# Altium PCB MiniPC.PcbDoc (part 20 of 23)
Units mm, origin at the board's own origin, x right, y up, seen from the top; angles counter-clockwise.
Board outline 175 x 155 mm, 16 copper layers (1_Top, 2_int1_(gnd), 3_int2_(power), 4_int3_(gnd), 5_int4_(sign), 6_int5_(power), 7_int6_(sign), 8_int7_(power), 9_int8_(gnd), 10_int9_(sign), 11_int10_(gnd), 12_int11_(sign), 13_int12_(gnd), 14_int13_(power), 15_int14_(gnd), 16_Bottom), stack 2.008 mm thick; 1046 components, 841 nets, 6010 pads, 4016 vias.
Unrouted connection lines stored in the file: 602.
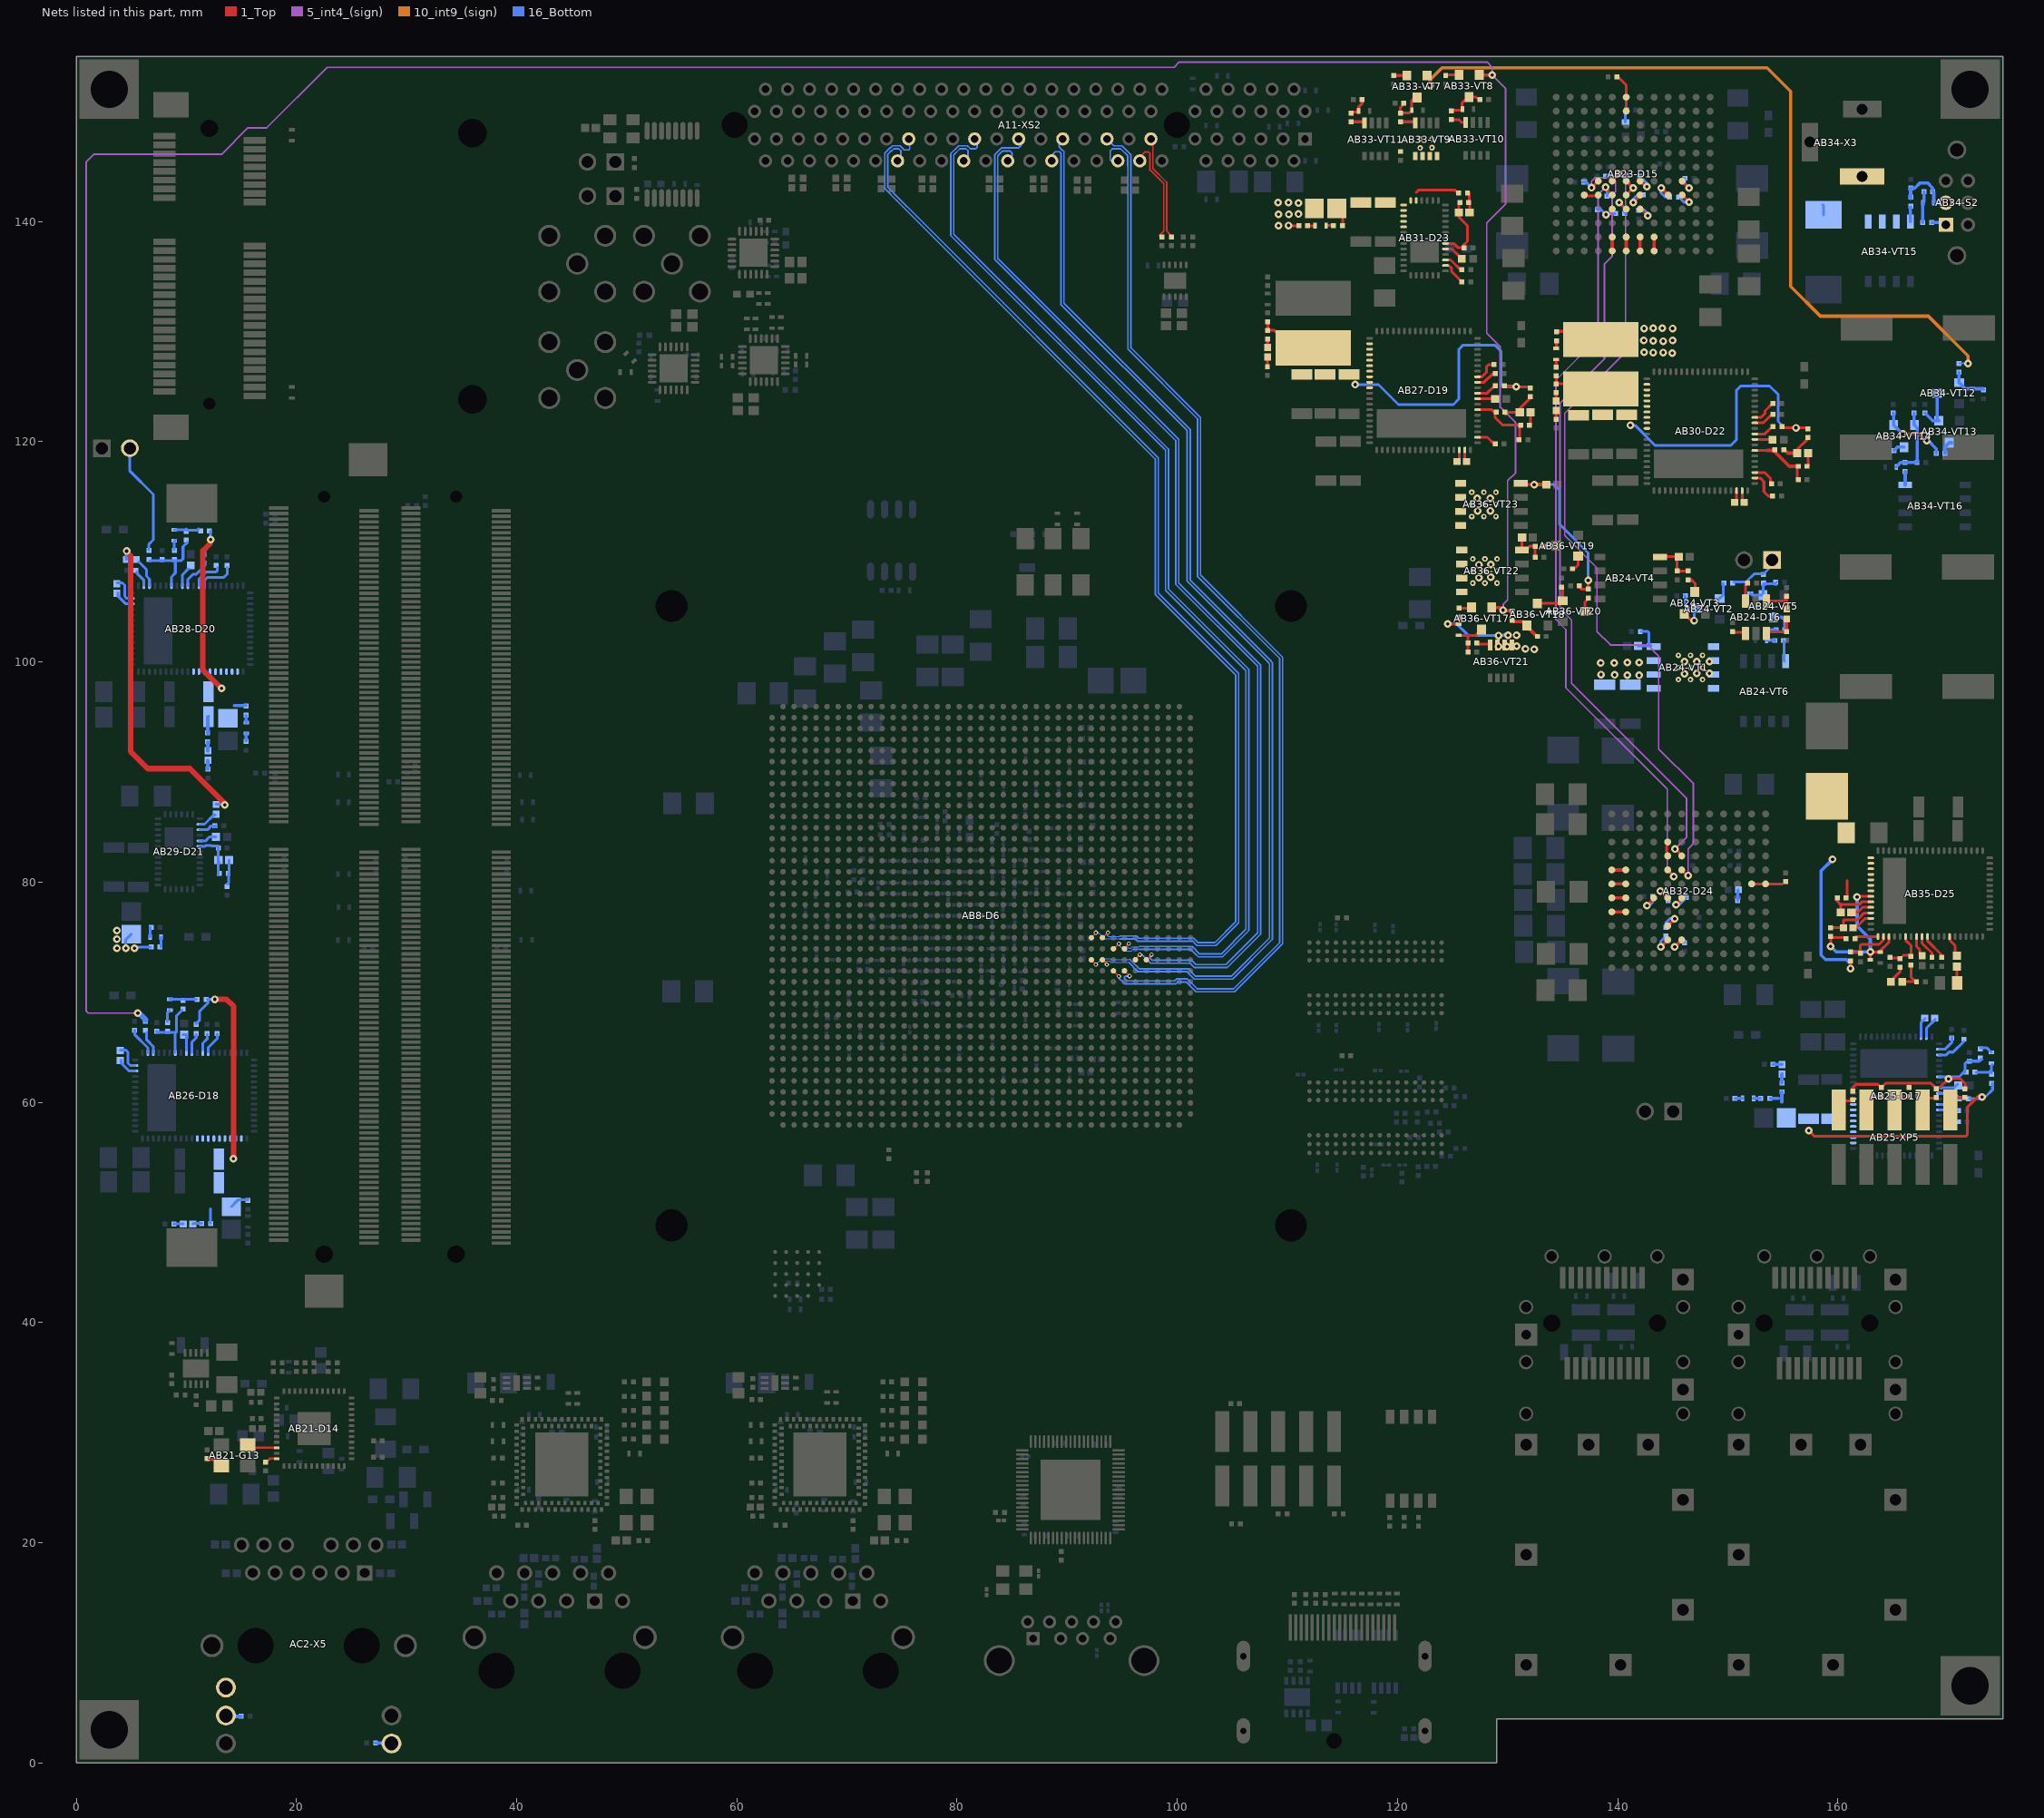
[diagram p34: the nets of this part, all layers, seen from the top]

## Via types
v1: diameter 0.4, hole 0.2, 1_Top to 16_Bottom, tented both sides, 1658 vias
v2: diameter 0.7, hole 0.3, 1_Top to 16_Bottom, tented both sides, 915 vias
v3: diameter 0.5, hole 0.2, 1_Top to 16_Bottom, tented both sides, 854 vias
v4: diameter 0.6, hole 0.2, 1_Top to 16_Bottom, 278 vias
v5: diameter 0.5, hole 0.2, 1_Top to 16_Bottom, 162 vias
v6: diameter 0.4, hole 0.2, 1_Top to 16_Bottom, 100 vias
v7: diameter 0.4/0/0/0/0/0/0/0/0/0/0/0/0/0/0/0.4 (per signal layer), hole 0.2, 1_Top to 16_Bottom, tented both sides, 18 vias
v8: diameter 0.4/0/0/0/0/0/0/0/0/0/0/0.4/0.4/0.4/0.4/0.4 (per signal layer), hole 0.2, 1_Top to 16_Bottom, tented both sides, 16 vias
v9: diameter 0.5, hole 0.254, 1_Top to 16_Bottom, 15 vias

## Nets (pads, with @x,y where several pads share a name; then routed paths per layer and width w, separated by ;. In a path a pad name is that pad's centre, name@x,y a point inside that pad or via, vN(x,y) a via of type N, cw(c..) or ccw(c..) an arc to the next point about the centre after c; other vN are vias at no path point) (continued)
NetAB21-D14_46: AB21-D14.46 AB21-G13.3 | length 2.8
  1_Top w0.2: AB21-G13.3@15.7,28.95 15.7,28.75 15.824,28.625 AB21-D14.46@18.212,28.625
NetAB21-D14_48: AB21-D14.48 AB21-R126.1 | length 1
  1_Top w0.2: AB21-R126.1@17.3,27.35 17.576,27.625 AB21-D14.48@18.212,27.625
NetAB21-G13_1: AB21-G13.1 AB21-R118.2 | length 1.4
  1_Top w0.3: AB21-R118.2@11.887,27.575 12.547,27.575 AB21-G13.1@13.097,27.025
NetAB23-C427_1: AB23-C427.1 AB23-R138.2 | length 1.1
  16_Bottom w0.254: AB23-C427.1@140.7,149.025 AB23-R138.2@140.7,150.125
NetAB23-D15_C5: AB23-D15.C5 AB23-D15.D5 | length 1.3
  1_Top w0.25: AB23-D15.C5@136.955,142.395 137.224,142.395 137.309,142.31 137.931,142.31 138.016,142.395 AB23-D15.D5@138.225,142.395
NetAB23-D15_D6: AB23-D15.D6 AB23-R150.1 AB32-D24.D6 | length 73.7
  1_Top w0.25: v2(137.62,143.06) AB23-D15.D6@138.225,143.665
  1_Top w0.254: v2(145.19,82.995) 145.29,82.995 145.578,82.708 145.578,82.633 145.64,82.57 145.64,82.535 AB32-D24.D6@145.805,82.37
  5_int4_(sign) w0.15: v2(137.62,143.06) 137.62,143.645 137.95,143.975 139.425,143.975 139.8,143.6 139.8,142.7 139.5,142.4 139.5,136.85 138.78,136.13 138.78,127.51 134.76,123.49 134.76,104.844 135.81,103.794 135.81,98.06 146.24,87.63 146.24,84.045 v2(145.19,82.995)
  16_Bottom w0.25: AB23-R150.1@136.82,143.57 137.11,143.57 v2(137.62,143.06)
NetAB23-D15_E1: AB23-D15.E1 AB23-D15.E2 | length 1.3
  1_Top w0.3: AB23-D15.E1@139.495,137.315 AB23-D15.E2@139.495,138.585
NetAB23-D15_E4: AB23-D15.E4 AB23-R145.2 AB23-R148.1 | length 2.7
  1_Top w0.25: v2(138.92,140.62) 138.99,140.62 AB23-D15.E4@139.495,141.125
  16_Bottom w0.25: AB23-R148.1@138.1,141.175 138.364,141.175 v2(138.92,140.62) 139.02,140.72 AB23-R145.2@139.72,140.72
NetAB23-D15_E5: AB23-D15.E5 AB23-R151.1 AB32-D24.E5 | length 71.6
  1_Top w0.25: v2(138.9,143.1) 138.9,142.99 AB23-D15.E5@139.495,142.395
  1_Top w0.254: AB32-D24.E5@144.535,81.1 145.14,80.495 v2(145.09,80.495)
  5_int4_(sign) w0.15: v2(138.9,143.1) 138.21,142.41 138.21,129.42 134.38,125.59 134.38,103.84 135.29,102.93 135.29,97.65 144.49,88.45 144.49,81.195 145.09,80.595 v2(145.09,80.495)
  16_Bottom w0.25: v2(138.9,143.1) 139.05,142.95 AB23-R151.1@139.05,142.3
NetAB23-D15_E6: AB23-D15.E6 AB23-R149.1 AB32-D24.E6 | length 76.4
  1_Top w0.25: AB23-D15.E6@139.495,143.665 140.075,144.245 v2(140.075,144.362)
  1_Top w0.254: AB32-D24.E6@145.805,81.1 145.805,81.08 146.29,80.595 v2(146.39,80.595)
  5_int4_(sign) w0.15: v2(140.075,144.362) 140.705,143.732 140.705,128.105 135.18,122.58 135.18,111.46 138.11,108.53 138.11,102.76 139.33,101.54 142.71,101.54 143.72,100.53 143.72,92.09 146.87,88.94 146.87,83.5 146.39,83.02 v2(146.39,80.595)
  16_Bottom w0.25: AB23-R149.1@138.95,144.1 139.9,144.1 140.1,144.3 140.075,144.325 v2(140.075,144.362)
NetAB23-D15_F1: AB23-D15.F1 AB23-D15.F2 | length 1.3
  1_Top w0.3: AB23-D15.F1@140.765,137.315 AB23-D15.F2@140.765,138.585
NetAB23-D15_F4: AB23-D15.F4 AB23-R145.1 | length 2.2
  1_Top w0.25: v2(140.12,141.72) 140.12,141.77 AB23-D15.F4@140.765,141.125
  16_Bottom w0.25: v2(140.12,141.72) 140.6,141.239 140.6,140.84 AB23-R145.1@140.72,140.72
NetAB23-D15_F5: AB23-D15.F5 AB23-D15.F6 AB23-R140.1 | length 3.2
  1_Top w0.25: AB23-D15.F5@140.765,142.395 v2(141.4,143.03)
  1_Top w0.3: AB23-D15.F6@140.765,143.665 v2(141.4,143.03)
  16_Bottom w0.25: AB23-R140.1@140.85,144.125 140.85,143.58 141.371,143.059 v2@141.268,142.957
NetAB23-D15_F11: AB23-D15.F11 AB23-D15.F12 AB23-R144.1 | length 3.4
  1_Top w0.25: AB23-R144.1@140.02,153.12 140.765,152.375 AB23-D15.F12@140.765,151.285 AB23-D15.F11@140.765,150.015
NetAB23-D15_G1: AB23-D15.G1 AB23-D15.G2 | length 1.3
  1_Top w0.3: AB23-D15.G1@142.035,137.315 AB23-D15.G2@142.035,138.585
NetAB23-D15_G4: AB23-D15.G4 AB23-R139.2 | length 2.2
  1_Top w0.25: AB23-D15.G4@142.035,141.125 142.114,141.125 v2(142.72,140.52)
  16_Bottom w0.25: v2@142.6,140.825 v2@142.72,140.705 ; v2@142.72,140.705 v2(142.72,140.52) v2@142.819,140.42
  16_Bottom w0.254: AB23-R139.2@141.9,141.025 142.4,141.025 v2@142.6,140.825
NetAB23-D15_G5: AB23-D15.G5 AB23-R142.1 | length 2.3
  1_Top w0.25: v2(141.42,141.72) 142.035,142.335 AB23-D15.G5@142.035,142.395
  16_Bottom w0.254: v2(141.42,141.72) 141.42,142.045 141.8,142.425 AB23-R142.1@142.3,142.425
NetAB23-D15_G6: AB23-D15.G6 AB23-R143.1 | length 2.1
  1_Top w0.25: AB23-D15.G6@142.035,143.665 142.541,143.159 v2(142.641,143.159)
  16_Bottom w0.25: AB23-R143.1@142,144.1 142.7,143.4 142.659,143.359 142.659,143.159 v2(142.641,143.159)
NetAB23-D15_H1: AB23-D15.H1 AB23-D15.H2 | length 1.3
  1_Top w0.3: AB23-D15.H1@143.305,137.315 AB23-D15.H2@143.305,138.585
NetAB23-D15_J5: AB23-D15.J5 AB23-R137.1 | length 2.2
  1_Top w0.3: v2(143.94,143.03) AB23-D15.J5@144.575,142.395
  16_Bottom w0.25: 143.9,142.63 143.9,142.99 v2(143.94,143.03)
  16_Bottom w0.254: 143.9,142.63 144.31,142.22 AB23-R137.1@144.61,142.22
NetAB23-D15_K5: AB23-D15.K5 AB23-R137.2 | length 1.8
  1_Top w0.3: AB23-D15.K5@145.845,142.395 v2(146.48,141.76)
  16_Bottom w0.254: AB23-R137.2@145.71,142.045 145.995,141.76 v2(146.48,141.76)
NetAB23-D15_K6: AB23-D15.K6 AB23-R141.1 | length 2
  1_Top w0.3: AB23-D15.K6@145.845,143.665 v2(146.48,143.03)
  16_Bottom w0.25: AB23-R141.1@146.06,143.92 146.06,143.45 v2(146.48,143.03)
NetAB24-C436_2: AB24-C436.2 AB24-R152.1 AB24-VT1.4 | length 3.2
  16_Bottom w0.25: AB24-C436.2@141.835,101.45 143.045,101.45 142.845,101.65 142.845,102.65 142.745,102.75 AB24-R152.1@142.145,102.75
NetAB24-C437_2: AB24-C437.2 AB24-C438.2 AB24-VT1.1 AB24-VT1.2 AB24-VT1.3 AB36-VT22.5 AB36-VT22.6 AB36-VT22.7 AB36-VT22.8 AB36-VT23.5 AB36-VT23.6 AB36-VT23.7 AB36-VT23.8
  other v2: 141.93,98.77 140.86,98.8 139.73,98.81 138.48,98.85 138.46,99.9 139.69,99.9 141.95,99.93 140.88,99.95 127.38,107.65 128.45,107.68 127.38,108.82 128.47,108.84 127.28,113.72 128.42,113.72 128.41,114.85 127.23,114.86
  other v5: 126.833,107.15 127.933,107.15 129.033,107.15 126.833,108.25 127.933,108.25 129.033,108.25 126.833,109.35 127.933,109.35 129.033,109.35 126.74,113.205 127.84,113.205 128.94,113.205 126.74,114.305 127.84,114.305 128.94,114.305 126.74,115.405 127.84,115.405 128.94,115.405
NetAB24-C439_2: AB24-C439.2 AB24-R156.2 AB24-R158.1 AB24-VT4.4 | length 4.3
  1_Top w0.25: AB24-VT4.4@143.545,109.55 AB24-C439.2@145.555,109.55 ; AB24-C439.2@145.445,109.45 145.395,109.4 AB24-R158.1@145.395,108.25 AB24-R156.2@146.445,108.25
NetAB24-C440_2: AB24-C440.2 AB24-R155.1 AB24-R157.2 AB24-VT5.1 | length 3.5
  16_Bottom w0.25: AB24-C440.2@152.045,106.25 152.245,106.05 AB24-VT5.1@153.195,106.05 153.195,107 AB24-R155.1@153.245,107.05 ; AB24-R155.1@153.245,107.1 154.295,107.1 AB24-R157.2@154.445,107.25
NetAB24-C441_1: AB24-C441.1 AB24-R159.1 AB24-R160.2 AB24-R161.1 | length 2.6
  16_Bottom w0.3: AB24-R161.1@154.25,101.94 154.23,101.96 AB24-C441.1@153.52,101.96 153.56,102 153.56,102.93 153.58,102.91 AB24-R160.2@154.38,102.91
NetAB24-D16_1: AB24-D16.1 AB24-R165.2 | length 1.2
  1_Top w0.25: AB24-R165.2@150.445,102.7 151.595,102.7 AB24-D16.1@151.645,102.75
NetAB24-D16_3: AB24-D16.3 AB24-R162.1 AB24-R163.2 | length 3.1
  1_Top w0.25: AB24-D16.3@153.495,102.575 153.65,102.73 155.225,102.73 AB24-R162.1@155.345,102.85 ; AB24-R162.1@155.345,102.75 155.345,102.8 AB24-R162.1@155.345,102.85 ; AB24-R163.2@155.345,103.9 AB24-R162.1@155.345,102.85
NetAB24-D16_4: AB24-D16.4 AB24-R163.1 AB24-R164.2 | length 3.4
  1_Top w0.25: AB24-D16.4@153.495,105.525 155.245,105.525 AB24-R164.2@155.245,106.05 ; AB24-R163.1@155.345,104.8 AB24-R164.2@155.345,105.95
NetAB24-D16_6: AB24-D16.6 AB24-R166.2 | length 1.8
  1_Top w0.25: AB24-D16.6@151.595,105.525 151.595,107 AB24-R166.2@151.845,107.25
NetAB24-R153_1: AB24-R153.1 AB24-VT2.1 | length 1.5
  16_Bottom w0.25: AB24-VT2.1@149.245,105.75 149.595,106.1 AB24-R153.1@149.595,107.15
NetAB24-R153_2: AB24-R153.2 AB24-R155.2 AB24-XP4.1 | length 4.6
  16_Bottom w0.25: AB24-R153.2@150.545,107.25 151.645,107.25 152.395,108 153.245,108 154.145,108.9 AB24-XP4.1@154.145,109.25
NetAB24-R154_2: AB24-R154.2 AB24-VT2.3 AB24-VT3.1 | length 4.2
  1_Top w0.25: AB24-VT3.1@146.045,104.35 146.545,103.85 v2@146.745,103.85
  16_Bottom w0.25: AB24-R154.2@146.045,106.05 146.13,105.965 146.13,105.22 146.55,104.8 AB24-VT2.3@147.195,104.8 ; v2(146.945,103.75) 146.945,104.55 AB24-VT2.3@147.195,104.8 ; AB24-VT2.3@147.245,104.8 AB24-VT2.3@147.195,104.8
NetAB24-R156_1: AB24-R156.1 AB24-VT3.3 | length 1.6
  1_Top w0.25: AB24-R156.1@146.395,107.45 146.69,107.45 147.045,107.095 AB24-VT3.3@147.045,106.25
NetAB24-R160_1: AB24-R160.1 AB24-VT5.3 | length 2
  16_Bottom w0.3: AB24-VT5.3@154.145,104.05 154.93,104.05 155.18,103.8 AB24-R160.1@155.18,102.91
NetAB24-R161_2: AB24-R161.2 AB24-VT6.4 | length 1.9
  16_Bottom w0.25: AB24-R161.2@155.05,101.94 155.095,101.895 155.095,100.1 AB24-VT6.4@155.145,100.05
NetAB24-VT1_5: AB24-VT1.5 AB24-VT1.6 AB24-VT1.7 AB24-VT1.8 AB30-R248.1 AB30-R249.2 | length 4.3
  1_Top w0.3: AB30-R249.2@134.43,130.02 137.73,130.02 AB30-R248.1@138.47,129.28
  other v2: 146.06,98.92 147.17,98.95 148.32,98.95 147.16,100.01 148.33,100.02 146.07,100.03 144.96,128.04 142.39,128.11 143.23,128.1 144.13,128.1 144.13,129.13 143.22,129.16 142.37,129.2 144.97,129.18 142.38,130.28 143.22,130.29 144.97,130.28 144.05,130.31
  other v5: 145.505,98.385 146.605,98.385 147.705,98.385 145.505,99.485 146.605,99.485 147.705,99.485 145.505,100.585 146.605,100.585 147.705,100.585
NetAB25-C445_2: AB25-C445.2 AB25-D17.57 | length 1.8
  16_Bottom w0.25: AB25-D17.57@169.185,61.306 170.511,61.306 AB25-C445.2@170.835,61.63
NetAB25-C446_1: AB25-C446.1 AB25-D17.47 | length 1.9
  16_Bottom w0.25: AB25-D17.47@168.035,65.956 168.035,66.73 AB25-C446.1@168.835,67.53
NetAB25-C446_2: AB25-C446.2 AB25-D17.46 | length 1.8
  16_Bottom w0.25: AB25-D17.46@167.535,65.956 167.535,67.23 AB25-C446.2@167.935,67.63
NetAB25-C447_2: AB25-C447.2 AB25-C448.2 AB25-D17.16 AB25-D17.17 AB25-D17.18 AB25-D17.19 AB25-D17.20 AB25-D17.21 AB25-D17.22 AB25-D17.23 AB25-D17.24 AB25-R171.2 AB25-R173.1 AB25-R181.1 AB25-R183.2 AB25-R184.2 | length 24
  1_Top w0.25: v2@157.343,57.423 157.835,56.93 171.635,56.93 171.735,57.03 171.735,59.53 172.835,60.63 172.94,60.63 v2(173.08,60.49)
  16_Bottom w0.25: AB25-R171.2@171.935,60.33 173.235,60.33 v2@173.395,60.49 ; v2(173.08,60.49) v2@173.395,60.49 ; AB25-R173.1@174.035,61.73 174.035,61.13 v2@173.395,60.49
  16_Bottom w0.3: AB25-R183.2@153.85,60.34 154.58,60.34 ; 154.9,60.02 AB25-R181.1@154.9,60.95
  other v2: 157.35,57.43
NetAB25-C449_1: AB25-C449.1 AB25-R173.2 AB25-R174.1 | length 2.2
  16_Bottom w0.25: AB25-R174.1@172.535,62.73 173.735,62.73 173.835,62.83 ; AB25-R173.2@173.935,62.63 173.935,63.33 AB25-C449.1@174.035,63.43
NetAB25-C449_2: AB25-C449.2 AB25-R180.1 | length 1.2
  16_Bottom w0.25: AB25-R180.1@172.935,64.93 173.535,64.93 AB25-C449.2@173.935,64.53
NetAB25-C450_1: AB25-C450.1 AB25-R181.2 | length 0.8
  16_Bottom w0.3: AB25-R181.2@154.9,61.75 154.9,62.55 AB25-C450.1@154.91,62.56
NetAB25-C450_2: AB25-C450.2 AB25-R182.2 | length 0.8
  16_Bottom w0.3: AB25-R182.2@154.1,63.45 154.11,63.44 AB25-C450.2@154.91,63.44
NetAB25-C451_1: AB25-C451.1 AB25-R185.1 | length 0.6
  16_Bottom w0.3: AB25-R185.1@150.69,60.36 150.71,60.34 AB25-C451.1@151.33,60.34
NetAB25-C451_2: AB25-C451.2 AB25-R183.1 | length 0.6
  16_Bottom w0.3: AB25-C451.2@152.33,60.34 AB25-R183.1@152.95,60.34
NetAB25-D17_50: AB25-D17.50 AB25-R168.1 | length 1.9
  16_Bottom w0.25: AB25-D17.50@169.185,64.806 169.711,64.806 170.335,65.43 AB25-R168.1@170.335,65.83 AB25-R168.1@170.335,65.93
NetAB25-D17_51: AB25-D17.51 AB25-R167.1 | length 2.8
  16_Bottom w0.25: AB25-D17.51@169.185,64.306 169.827,64.306 170.076,64.555 170.46,64.555 AB25-R167.1@171.435,65.53
NetAB25-D17_55: AB25-D17.55 AB25-R172.2 AB25-R174.2 AB25-R175.2 AB25-R176.2 AB25-R177.2 AB25-R178.2 AB25-R179.2 AB25-R180.2 | length 17.8
  1_Top w0.25: AB25-R175.2@161.335,61.13 161.335,61.33 161.635,61.63 163.635,61.63 AB25-R176.2@163.835,61.43 ; AB25-R176.2@163.935,61.33 163.935,61.42 164.025,61.42 164.335,61.73 166.435,61.73 ; AB25-R177.2@166.435,61.23 166.435,61.63 ; AB25-R177.2@166.435,61.33 166.435,61.63 ; AB25-R179.2@171.535,61.23 171.535,61.723 171.128,62.13 v2(170.035,62.13) 169.185,61.28 168.935,61.28 168.935,61.33 168.835,61.33 168.435,61.73 166.435,61.73 ; 166.435,61.63 166.435,61.73
  16_Bottom w0.25: AB25-D17.55@169.185,62.306 v2@169.935,62.306 ; v2@170.033,62.13 v2@170.035,62.132 ; v2(170.035,62.13) v2@170.035,62.132 ; AB25-R174.2@171.435,62.73 171.011,62.306 v2@169.935,62.306 ; AB25-R174.2@171.535,62.73 171.535,63.53 AB25-R172.2@171.835,63.83 ; AB25-R172.2@171.935,63.73 172.835,63.73 AB25-R180.2@173.035,63.93 ; v2@169.935,62.306 169.934,62.305 170.035,62.204 v2@170.035,62.132
NetAB25-D17_58: AB25-D17.58 AB25-R171.1 | length 1.9
  16_Bottom w0.25: AB25-D17.58@169.185,60.806 170.559,60.806 AB25-R171.1@170.935,60.43
NetAB25-D17_60: AB25-D17.60 AB25-R169.1 | length 1.9
  16_Bottom w0.25: AB25-D17.60@169.185,59.806 170.259,59.806 AB25-R169.1@170.835,59.23
NetAB25-D17_61: AB25-D17.61 AB25-R170.2 | length 2.1
  16_Bottom w0.25: AB25-D17.61@169.185,59.306 170.059,59.306 170.235,59.13 170.235,58.83 AB25-R170.2@170.735,58.33
NetAB25-R175_1: AB25-R175.1 AB25-XP5.2 | length 2
  1_Top w0.25: AB25-XP5.2@160.235,59.13 160.235,59.93 160.435,60.13 AB25-R175.1@161.335,60.13
NetAB25-R176_1: AB25-R176.1 AB25-XP5.4 | length 2.4
  1_Top w0.25: AB25-XP5.4@162.595,59.305 162.595,60.165 162.96,60.53 AB25-R176.1@163.935,60.53
NetAB25-R177_1: AB25-R177.1 AB25-XP5.6 | length 2.3
  1_Top w0.25: AB25-XP5.6@165.135,59.33 165.135,60.13 165.535,60.53 AB25-R177.1@166.435,60.53
NetAB25-R178_1: AB25-R178.1 AB25-XP5.8 | length 2.3
  1_Top w0.25: AB25-XP5.8@167.235,59.23 167.235,59.43 168.185,60.38 AB25-R178.1@168.935,60.38
NetAB25-R179_1: AB25-R179.1 AB25-XP5.10 | length 2.1
  1_Top w0.25: AB25-XP5.10@170.335,59.33 170.435,59.33 170.71,59.605 170.71,60.43 AB25-R179.1@171.535,60.43
NetAB26-C454_2: AB26-C454.2 AB26-D18.57 | length 1.7
  16_Bottom w0.25: AB26-C454.2@9.695,66.14 AB26-C454.2@9.795,66.14 9.995,66.14 AB26-D18.57@9.995,64.75
NetAB26-C455_1: AB26-C455.1 AB26-D18.47 | length 2.5
  16_Bottom w0.25: AB26-C455.1@3.995,64.75 4.495,64.75 4.695,64.55 4.695,63.55 4.895,63.35 AB26-D18.47@5.35,63.35
NetAB26-C455_2: AB26-C455.2 AB26-D18.46 | length 1.8
  16_Bottom w0.25: AB26-C455.2@4.095,63.85 4.095,63.55 4.795,62.85 5.095,62.85 AB26-D18.46@5.35,62.85
NetAB26-C456_2: AB26-C456.2 AB26-C457.2 AB26-D18.16 AB26-D18.17 AB26-D18.18 AB26-D18.19 AB26-D18.20 AB26-D18.21 AB26-D18.22 AB26-D18.23 AB26-D18.24 AB26-R189.2 AB26-R191.1 AB26-R195.1 AB26-R197.2 AB26-R198.2 | length 22.2
  1_Top w0.5: v2(12.595,69.35) 13.65,69.35 14.3,68.7 14.3,54.9 v2(14.28,54.88)
  16_Bottom w0.25: AB26-R189.2@10.895,67.15 11.22,67.475 11.22,68.275 11.995,69.05 AB26-R191.1@11.995,69.35 ; AB26-R191.1@11.895,69.35 AB26-R191.1@11.995,69.35 ; AB26-R195.1@12.2,49 12.2,50.31 ; v2(12.595,69.35) AB26-R191.1@11.995,69.35 ; AB26-R198.2@14.08,50.515 14.695,51.13 AB26-R197.2@15.6,51.13
NetAB26-C458_1: AB26-C458.1 AB26-R191.2 AB26-R192.1 | length 2.2
  16_Bottom w0.25: AB26-C458.1@8.495,69.35 AB26-R192.1@9.595,69.35 ; AB26-R192.1@9.795,69.35 AB26-R191.2@10.895,69.35
NetAB26-C458_2: AB26-C458.2 AB26-R194.1 | length 1.1
  16_Bottom w0.25: AB26-R194.1@8.295,67.35 8.295,68.15 AB26-C458.2@8.495,68.35
NetAB26-C459_1: AB26-C459.1 AB26-R195.2 | length 0.8
  16_Bottom w0.25: AB26-C459.1@10.59,48.95 10.64,49 AB26-R195.2@11.4,49
NetAB26-C459_2: AB26-C459.2 AB26-R196.2 | length 0.9
  16_Bottom w0.25: AB26-R196.2@8.86,48.94 8.87,48.95 AB26-C459.2@9.71,48.95
NetAB26-D18_50: AB26-D18.50 AB26-R187.1 | length 2.5
  16_Bottom w0.25: AB26-R187.1@5.295,66.55 5.295,66.15 6.5,64.945 AB26-D18.50@6.5,64.5
NetAB26-D18_51: AB26-D18.51 AB26-R188.1 | length 2.1
  16_Bottom w0.25: AB26-R188.1@6.395,66.35 6.395,65.666 7,65.061 AB26-D18.51@7,64.5
NetAB26-D18_55: AB26-D18.55 AB26-R192.2 AB26-R193.2 AB26-R194.2 | length 6.1
  16_Bottom w0.25: AB26-R193.2@7.295,66.45 7.395,66.35 8.295,66.35 8.695,66.35 ; AB26-D18.55@8.995,64.55 8.995,66.35 ; AB26-R192.2@9.595,68.35 9.095,67.85 9.095,66.35 8.995,66.35 ; 8.695,66.35 8.995,66.35 ; 8.695,66.35 8.995,66.35
NetAB26-D18_58: AB26-D18.58 AB26-R189.1 | length 2.1
  16_Bottom w0.25: AB26-D18.58@10.495,64.65 10.495,64.914 ; AB26-D18.58@10.5,64.5 10.5,65.455 10.895,65.85 AB26-R189.1@10.895,66.15
NetAB26-D18_60: AB26-D18.60 AB26-R186.1 | length 1.6
  16_Bottom w0.25: AB26-D18.60@11.495,64.75 11.495,65.35 11.895,65.75 AB26-R186.1@11.895,66.2
NetAB26-D18_61: AB26-D18.61 AB26-R190.2 | length 2
  16_Bottom w0.25: AB26-D18.61@11.995,64.55 11.995,64.97 12.795,65.77 AB26-R190.2@12.795,66.2
NetAB26-R188_2: AB26-R188.2 AB33-VT8.1 AB36-R305.2 AB36-VT17.1 | length 269.8
  1_Top w0.3: AB33-VT8.1@127.415,153.3 v2(128.6,153.3) ; AB36-VT17.1@128.545,104.94 129.35,104.94 v2(129.59,104.7) 129.66,104.63 AB36-R305.2@130.41,104.63
  5_int4_(sign) w0.15: v2(5.6,68.1) 1.1,68.1 0.9,68.3 0.9,145.4 1.6,146.1 13.2,146.1 15.6,148.5 17.3,148.5 22.8,154 99.7,154 100.17,154.47 128.13,154.47 128.6,154 v2(128.6,153.3) 129.8,152.1 129.8,141.55 128.1,139.85 128.1,129.84 129.32,128.62 129.32,123.12 130.72,121.72 130.72,117.18 130,116.46 130,105.62 129.59,105.21 v2(129.59,104.7)
  16_Bottom w0.5: v2(5.6,68.1) 5.695,68.005 5.795,68.005 6.295,67.505 AB26-R188.2@6.295,67.45
NetAB27-C463_2: AB27-C463.2 AB27-D19.65 | length 1.6
  1_Top w0.25: AB27-D19.65@127.24,123.91 128.64,123.91 AB27-C463.2@128.78,123.77
NetAB27-C464_1: AB27-C464.1 AB27-D19.55 | length 1.1
  1_Top w0.25: AB27-D19.55@126.09,119.26 126.09,118.4 AB27-C464.1@126.28,118.21
NetAB27-C464_2: AB27-C464.2 AB27-D19.54 | length 1.1
  1_Top w0.25: AB27-C464.2@125.4,118.21 125.59,118.4 AB27-D19.54@125.59,119.26
NetAB27-C465_1: AB27-C465.1 AB27-R204.2 AB27-R205.1 | length 3.1
  1_Top w0.25: AB27-R205.1@129.79,122.47 129.99,122.67 AB27-C465.1@131.1,122.67 131.1,123.005 AB27-R204.2@132.065,123.97
NetAB27-C465_2: AB27-C465.2 AB27-R207.1 | length 1.2
  1_Top w0.25: AB27-C465.2@132.08,122.67 132.08,121.48 AB27-R207.1@132.09,121.47
NetAB27-C466_2: AB27-C466.2 AB27-C467.2 AB27-C468.2 AB27-D19.20 AB27-D19.21 AB27-D19.22 AB27-D19.23 AB27-D19.24 AB27-D19.25 AB27-D19.26 AB27-D19.27 AB27-D19.28 AB27-R203.2 AB27-R204.1 AB27-R208.1 AB27-R210.2 AB27-R211.2 | length 31.5
  1_Top w0.25: AB27-R210.2@108.21,130.85 108.21,130.12 AB27-R208.1@108.2,130.11 108.81,130.11 110.41,128.51 AB27-R211.2@112.34,128.51 ; AB27-R203.2@129.795,125.06 AB27-R203.2@129.861,124.995 ; AB27-R203.2@129.886,124.97 AB27-R203.2@129.861,124.995 ; AB27-R204.1@132.065,124.97 130.79,124.97 v2(130.765,124.995) AB27-R203.2@129.861,124.995
  16_Bottom w0.25: v2(116.14,125.18) 118.28,125.18 120.09,123.37 125.065,123.37 125.565,123.87 125.565,128.37 125.965,128.77 128.835,128.77 129.394,128.211 129.394,125.208 129.607,124.995 v2(130.765,124.995)
NetAB27-C469_1: AB27-C469.1 AB27-R208.2 | length 0.8
  1_Top w0.25: AB27-C469.1@108.19,128.55 108.2,128.56 AB27-R208.2@108.2,129.31
NetAB27-C469_2: AB27-C469.2 AB27-R209.2 | length 0.9
  1_Top w0.25: AB27-R209.2@108.18,126.82 108.19,126.83 AB27-C469.2@108.19,127.67
NetAB27-D19_58: AB27-D19.58 AB27-R200.1 | length 1.7
  1_Top w0.254: AB27-D19.58@127.265,120.395 128.165,120.395 AB27-R200.1@128.765,119.795
NetAB27-D19_63: AB27-D19.63 AB27-R205.2 AB27-R206.1 AB27-R207.2 | length 5.9
  1_Top w0.25: AB27-R206.1@131.09,120.27 AB27-R207.2@131.09,121.47
  1_Top w0.254: AB27-D19.63@127.265,122.895 128.565,122.895 AB27-R205.2@128.865,122.595 ; AB27-R205.2@128.865,122.67 AB27-R205.2@128.865,122.595 ; AB27-R207.2@131.065,121.495 129.565,121.495 128.865,122.195 AB27-R205.2@128.865,122.595